# Altium PCB Startracker_mainboard.PcbDoc (part 1 of 2) (continued)
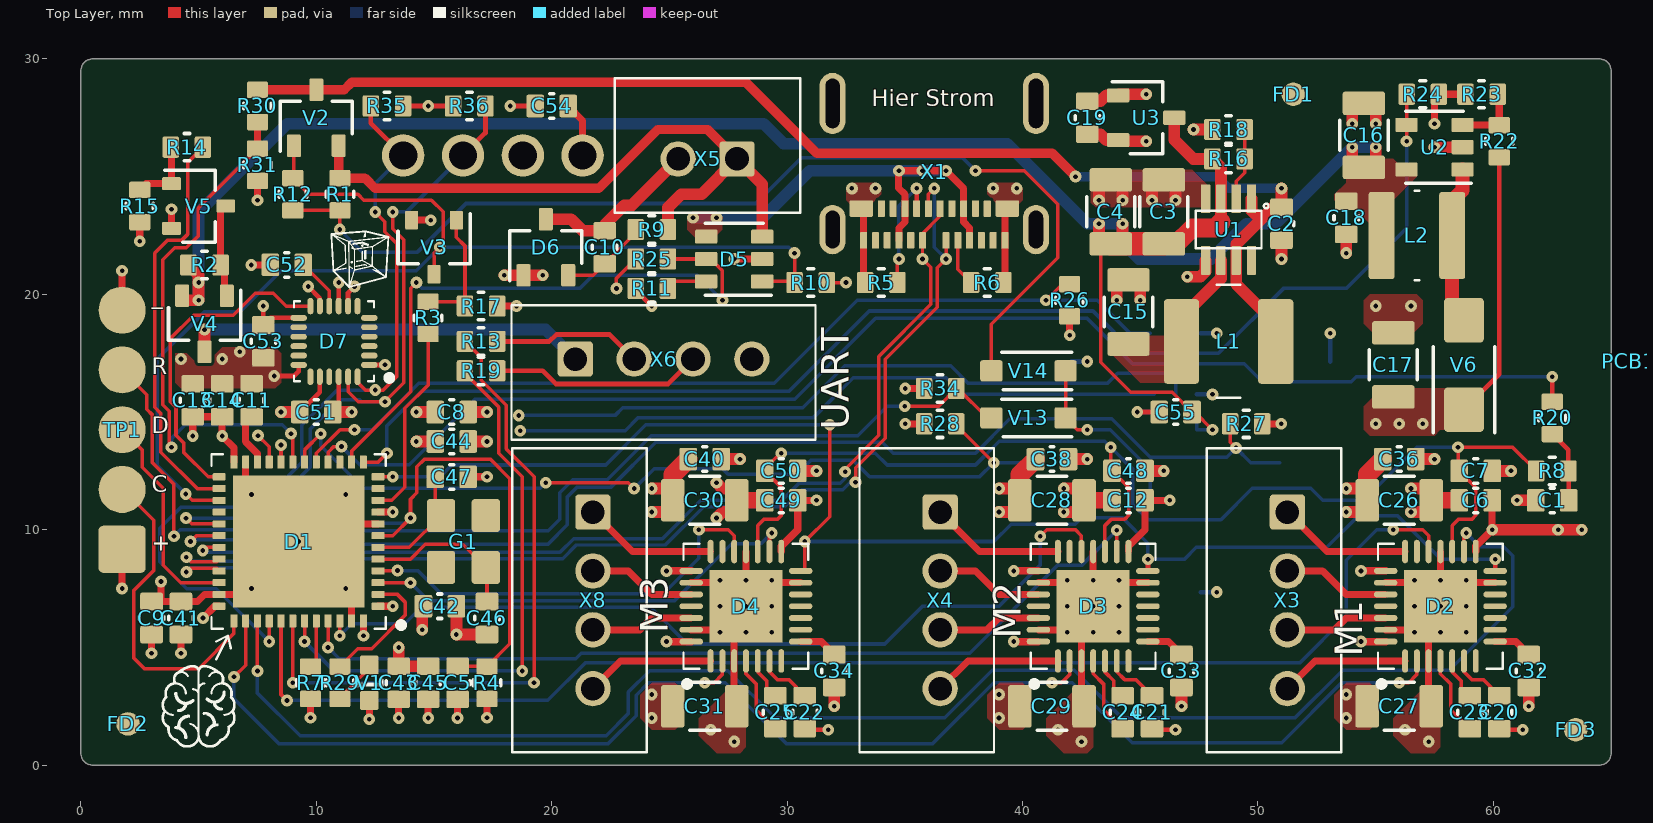
[diagram p0: Top Layer view]
## Components (designator, comment, footprint, x,y, rotation, side; value= is the part's Value field where it differs from the comment)
C1 "Cap 100n 0603" C-0603_1608_095_L_RF 62.5,11.25 r180 top value=100nF
C2 "Cap 1u 0603" C-0603_1608_095_L_RF 51,23 r90 top value=1µF
C3 "Cap 22u 25V 10% 1206" C-1206_3216_230_L_RF 46,23.5 r270 top value=22µF
C4 "Cap 22u 25V 10% 1206" C-1206_3216_230_L_RF 43.75,23.5 r270 top value=22µF
C5 "Cap 100n 0603" C-0603_1608_095_L_RF 16,3.5 r270 top value=100nF
C6 "Cap 100n 0603" C-0603_1608_095_L_RF 59.25,11.25 r180 top value=100nF
C7 "Cap 100n 0603" C-0603_1608_095_L_RF 59.25,12.5 r0 top value=100nF
C8 "Cap 100n 0603" C-0603_1608_095_L_RF 15.75,15 r0 top value=100nF
C9 "Cap 1u 0603" C-0603_1608_095_L_RF 3,6.25 r270 top value=1µF
C10 "Cap 100n 0603" C-0603_1608_095_L_RF 22.25,22 r270 top value=100nF
C11 "Cap 22u/ 6.3V 0603" C-0603_1608_110_L_RF 7.25,15.5 r270 top value=22µF
C12 "Cap 100n 0603" C-0603_1608_095_L_RF 44.5,11.25 r180 top value=100nF
C13 "Cap 22u/ 6.3V 0603" C-0603_1608_110_L_RF 4.75,15.5 r270 top value=22µF
C14 "Cap 100n 0603" C-0603_1608_095_L_RF 6,15.5 r90 top value=100nF
C15 "Cap 22u 25V 10% 1206" C-1206_3216_230_L_RF 44.5,19.25 r270 top value=22µF
C16 "Cap 22u 25V 10% 1206" C-1206_3216_230_L_RF 54.5,26.75 r270 top value=22µF
C17 "Cap 22u 25V 10% 1206" C-1206_3216_230_L_RF 55.75,17 r270 top value=22µF
C18 "Cap 1u 0603" C-0603_1608_095_L_RF 53.75,23.25 r90 top value=1µF
C19 "Cap 1u 0603" C-0603_1608_095_L_RF 42.75,27.5 r270 top value=1µF
C20 "Cap 100n 0603" C-0603_1608_095_L_RF 60.25,2.25 r270 top value=100nF
C21 "Cap 100n 0603" C-0603_1608_095_L_RF 45.5,2.25 r270 top value=100nF
C22 "Cap 100n 0603" C-0603_1608_095_L_RF 30.75,2.25 r270 top value=100nF
C23 "Cap 22n 0603" C-0603_1608_095_L_RF 59,2.25 r270 top value=22nF
C24 "Cap 22n 0603" C-0603_1608_095_L_RF 44.25,2.25 r270 top value=22nF
C25 "Cap 22n 0603" C-0603_1608_095_L_RF 29.5,2.25 r270 top value=22nF
C26 "Cap 22u 25V 10% 1206" C-1206_3216_230_L_RF 56,11.25 r180 top value=22µF
C27 "Cap 22u 25V 10% 1206" C-1206_3216_230_L_RF 56,2.5 r180 top value=22µF
C28 "Cap 22u 25V 10% 1206" C-1206_3216_230_L_RF 41.25,11.25 r180 top value=22µF
C29 "Cap 22u 25V 10% 1206" C-1206_3216_230_L_RF 41.25,2.5 r180 top value=22µF
C30 "Cap 22u 25V 10% 1206" C-1206_3216_230_L_RF 26.5,11.25 r180 top value=22µF
C31 "Cap 22u 25V 10% 1206" C-1206_3216_230_L_RF 26.5,2.5 r180 top value=22µF
C32 "Cap 1u 0603" C-0603_1608_095_L_RF 61.5,4 r90 top value=1µF
C33 "Cap 1u 0603" C-0603_1608_095_L_RF 46.75,4 r90 top value=1µF
C34 "Cap 1u 0603" C-0603_1608_095_L_RF 32,4 r90 top value=1µF
C35 "Cap 100n 0603" C-0603_1608_095_L_RF 56,2.5 r180 bottom value=100nF
C36 "Cap 100n 0603" C-0603_1608_095_L_RF 56,13 r180 top value=100nF
C37 "Cap 100n 0603" C-0603_1608_095_L_RF 41.25,2.5 r180 bottom value=100nF
C38 "Cap 100n 0603" C-0603_1608_095_L_RF 41.25,13 r180 top value=100nF
C39 "Cap 100n 0603" C-0603_1608_095_L_RF 26.5,2.5 r180 bottom value=100nF
C40 "Cap 100n 0603" C-0603_1608_095_L_RF 26.5,13 r180 top value=100nF
C41 "Cap 100n 0603" C-0603_1608_095_L_RF 4.25,6.25 r90 top value=100nF
C42 "Cap 100n 0603" C-0603_1608_095_L_RF 15.25,6.75 r0 top value=100nF
C43 "Cap 1u 0603" C-0603_1608_095_L_RF 13.5,3.5 r90 top value=1µF
C44 "Cap 1u 0603" C-0603_1608_095_L_RF 15.75,13.75 r180 top value=1µF
C45 "Cap 1u 0603" C-0603_1608_095_L_RF 14.75,3.5 r90 top value=1µF
C46 "Cap 15p 0603" C-0603_1608_095_L_RF 17.25,6.25 r270 top value=15pF
C47 "Cap 15p 0603" C-0603_1608_095_L_RF 15.75,12.25 r0 top value=15pF
C48 "Cap 100n 0603" C-0603_1608_095_L_RF 44.5,12.5 r0 top value=100nF
C49 "Cap 100n 0603" C-0603_1608_095_L_RF 29.75,11.25 r180 top value=100nF
C50 "Cap 100n 0603" C-0603_1608_095_L_RF 29.75,12.5 r0 top value=100nF
C51 "Cap 100n 0603" C-0603_1608_095_L_RF 10,15 r180 top value=100nF
C52 "Cap 100n 0603" C-0603_1608_095_L_RF 8.75,21.25 r180 top value=100nF
C53 "Cap 100n 0603" C-0603_1608_095_L_RF 7.75,18 r270 top value=100nF
C54 "Cap 100n 0603" C-0603_1608_095_L_RF 20,28 r0 top value=100nF
C55 "Cap 100n 0603" C-0603_1608_095_L_RF 46.5,15 r180 top value=100nF
D1 "STM32F411CCU6" UFQFPN48_N_RF 9.25,9.5 r180 top
D2 "TMC2208-LA-T" QFN28_N_RF 57.75,6.75 r90 top
D3 "TMC2208-LA-T" QFN28_N_RF 43,6.75 r90 top
D4 "TMC2208-LA-T" QFN28_N_RF 28.25,6.75 r90 top
D5 "ME4055AM6G-N" SOT23-6_N_RF 27.75,21.5 r90 top
D6 "RY2200" SOT23_N_RF 19.75,22 r0 top
D7 "MPU-9250" QFN24_N_RF 10.75,18 r180 top
FD1 "Fiducial" Fiducial_1.0mm 51.5,28.5 r0 top
FD2 "Fiducial" Fiducial_1.0mm 2,1.75 r0 top
FD3 "Fiducial" Fiducial_1.0mm 63.5,1.5 r0 top
G1 "16MHz" G_3225_N_RF 16.25,9.5 r270 top
L1 "1.5uH" L-0490X0490_N_RF 48.75,18 r180 top
L2 "4.7uH" L-0400X0400_N_RF 56.75,22.5 r0 top
PCB1 "PCB_Dummy" Dummy_PCB-Parameter_SM 65.75,17.15 r90 top value="Startracker / A"
R1 "Res 10k 0603" R-0603_1608_050_L_RF 11,24.25 r90 top value=10k
R2 "Res 10k 0603" R-0603_1608_050_L_RF 5.25,21.25 r180 top value=10k
R3 "Res 10k 0603" R-0603_1608_050_L_RF 14.75,19 r270 top value=10k
R4 "Res 10k 0603" R-0603_1608_050_L_RF 17.25,3.5 r270 top value=10k
R5 "Res 5k1 0603" R-0603_1608_050_L_RF 34,20.5 r0 top value=5.1k
R6 "Res 5k1 0603" R-0603_1608_050_L_RF 38.5,20.5 r180 top value=5.1k
R7 "Res 10k 0603" R-0603_1608_050_L_RF 9.75,3.5 r90 top value=10k
R8 "Res 10k 0603" R-0603_1608_050_L_RF 62.5,12.5 r180 top value=10k
R9 "Res 1k 0603" R-0603_1608_050_L_RF 24.25,22.75 r180 top value=1k
R10 "Res 10k 0603" R-0603_1608_050_L_RF 31,20.5 r0 top value=10k
R11 "Res 2k2 0603" R-0603_1608_050_L_RF 24.25,20.25 r0 top value=2.2k
R12 "Res 100k 0603" R-0603_1608_050_L_RF 9,24.25 r270 top value=100k
R13 "Res 100R 0603" R-0603_1608_050_L_RF 17,18 r0 top value=100
R14 "Res 10k 0603" R-0603_1608_050_L_RF 4.5,26.25 r0 top value=10k
R15 "Res 100k 0603" R-0603_1608_050_L_RF 2.5,23.75 r90 top value=100k
R16 "Res 150k 0603" R-0603_1608_050_L_RF 48.75,25.75 r180 top value=150k
R17 "Res 100k 0603" R-0603_1608_050_L_RF 17,19.5 r180 top value=100k
R18 "Res 16k 0603" R-0603_1608_050_L_RF 48.75,27 r0 top value=16k
R19 "Res 100R 0603" R-0603_1608_050_L_RF 17,16.75 r0 top value=100
R20 "Res 10k 0603" R-0603_1608_050_L_RF 62.5,14.75 r270 top value=10k
R21 "OLED_128X64" OLED_0.96 17.5,15 r180 bottom locked
R22 "Res 130k 0603" R-0603_1608_050_L_RF 60.25,26.5 r270 top value=130k
R23 "Res 15k 0603" R-0603_1608_050_L_RF 59.5,28.5 r0 top value=15k
R24 "Res 10k 0603" R-0603_1608_050_L_RF 57,28.5 r0 top value=10k
R25 "Res 10k 0603" R-0603_1608_050_L_RF 24.25,21.5 r180 top value=10k
R26 "Res 10k 0603" R-0603_1608_050_L_RF 42,19.75 r270 top value=10k
R27 "Res 10k 0603" R-0603_1608_050_L_RF 49.5,14.5 r0 top value=10k
R28 "Res 10k 0603" R-0603_1608_050_L_RF 36.5,14.5 r180 top value=10k
R29 "Res 1k 0603" R-0603_1608_050_L_RF 11,3.5 r90 top value=1k
R30 "Res 10k 0603" R-0603_1608_050_L_RF 7.5,28 r90 top value=10k
R31 "Res 10k 0603" R-0603_1608_050_L_RF 7.5,25.5 r90 top value=10k
R34 "Res 10k 0603" R-0603_1608_050_L_RF 36.5,16 r180 top value=10k
R35 "Res 2k2 0603" R-0603_1608_050_L_RF 13,28 r180 top value=2.2k
R36 "Res 2k2 0603" R-0603_1608_050_L_RF 16.5,28 r0 top value=2.2k
S1 "K2-1808UN-A4SW-04" K2-1808UN-A4SW-04 46.5,9.5 r90 bottom
S2 "K2-1808UN-A4SW-04" K2-1808UN-A4SW-04 46.5,20.5 r90 bottom
S3 "K2-1808UN-A4SW-04" K2-1808UN-A4SW-04 52,15 r90 bottom
S4 "K2-1808UN-A4SW-04" K2-1808UN-A4SW-04 41,15 r90 bottom
TP1 "Programming Interface 5P" TP_ProgrammingInterface_5P_A 1.75,14.25 r90 top value=TP
U1 "RT4812GJ8F" TSOT-23-8 48.75,22.75 r180 top
U2 "MT3540-F23" SOT23-5_N_RF 57.5,26.25 r90 top
U3 "XC6206P332MR" SOT23_N_RF 45.25,27.5 r270 top
V1 "LED SMD 0603 Red" LED-0603_1608_Red_L_RF 12.25,3.5 r270 top value=red
V2 "FDN340P" SOT23_N_RF 10,27.5 r0 top
V3 "BC847B" SOT23_L_RF 15,22 r180 top
V4 "FDN340P" SOT23_N_RF 5.25,18.75 r180 top
V5 "BC847B" SOT23_L_RF 5,23.75 r270 top
V6 "SS14-E3" SMA_DO214AC_L_RF 58.75,17 r270 top value=40V
V7 "APA102C" V_2020_P6_N_RF 46.5,15 r90 bottom
V13 "SD101CW-E3-08" SOD123_L_RF 40.25,14.75 r0 top value=SD101CW
V14 "SD101CW-E3-08" SOD123_L_RF 40.25,16.75 r0 top value=SD101CW
X1 "105450-0101" 105450-0101 36.25,22.75 r180 top
X3 "CONN HEADER XH 4POS THT" X-0124X0057-R_M04_P0250_JST_B4B-XH-A 51.25,7 r90 top value=B4B-XH-A
X4 "CONN HEADER XH 4POS THT" X-0124X0057-R_M04_P0250_JST_B4B-XH-A 36.5,7 r90 top value=B4B-XH-A
X5 "CONN HEADER XH 2POS THT" X-0074X0057-R_M02_P0250_JST_B2B-XH-A 26.619,25.75 r0 top value=B2B-XH-A
X6 "CONN HEADER XH 4POS THT" X-0124X0057-R_M04_P0250_JST_B4B-XH-A 24.75,17.25 r180 top value=B4B-XH-A
X8 "CONN HEADER XH 4POS THT" X-0124X0057-R_M04_P0250_JST_B4B-XH-A 21.75,7 r90 top value=B4B-XH-A

## Footprints (in the part's own frame and the unit in brackets; to place one, negate y for a bottom-side part, rotate by r counter-clockwise, add the part's x,y. Pads: shape width x height; smd on the part's side, far side on the other; paste and mask are expansions set on the pad)
105450-0101 [mm] "USB-C Connector"
  rrect20% 0.3x0.7 smd: A1(-3,0.46) A2(-2.5,0.46) A3(-2,0.46) A4(-1.5,0.46) A5(-1,0.46) A6(-0.5,0.46) A7(0.5,0.46) A8(1,0.46) A9(1.5,0.46) A10(2,0.46) A11(2.5,0.46) A12(3,0.46) B2(2.25,-0.89) B3(1.75,-0.89) B4(1.25,-0.89) B5(0.75,-0.89) B6(0.25,-0.89) B7(-0.25,-0.89) B8(-0.75,-0.89) B9(-1.25,-0.89) B10(-1.75,-0.89) B11(-2.25,-0.89)
  rrect20% 1x0.7 smd: B1(3.1,-0.89) B12(-3.1,-0.89)
  oval 1.1x2.1 hole 0.6 slot 1.6 at 90 deg: S(-4.32,0) S(4.32,0)
  oval 1.1x2.6 hole 0.6 slot 2.1 at 90 deg: S(-4.32,-5.36) S(4.32,-5.36)
  body extent -4.47,-7.3 4.47,0.6, height 3.18
C-0603_1608_095_L_RF [mm] "Capacitor Chip 0603 Reflow; IPC7351C; Least; A.0"
  rrect20% 0.75x0.96 smd: 1(-0.7,0) 2(0.7,0)
  silkscreen extent -0.08,-0.52 0.08,0.52, body extent -0.87,-0.48 0.88,0.48, height 0.95
C-0603_1608_110_L_RF [mm] "Capacitor Chip 0603 Reflow; IPC7351C; Least; A.0"
  rrect20% 0.75x0.96 smd: 1(-0.7,0) 2(0.7,0)
  silkscreen extent -0.08,-0.52 0.08,0.52, body extent -0.87,-0.48 0.88,0.48, height 1.1
C-1206_3216_230_L_RF [mm] "Capacitor Chip 1206 Reflow; IPC7351C; Least; A.1"
  rrect20% 1x1.8 smd: 1(-1.36,0) 2(1.36,0)
  silkscreen extent -0.63,-1.02 0.63,1.02, body extent -1.7,-0.9 1.7,0.9, height 2.3
Dummy_PCB-Parameter_SM [mm] "Footprint of PCB Dummy Symbol"
Fiducial_1.0mm [mm] "Fiducialmark 1.0mm"
  round 1 smd paste-2.54 mask+0.5: 1(0,0)
  Top Layer pour cut-out: 0,-1 -0.383,-0.924 -0.707,-0.707 -0.924,-0.383 -1,0 -1,0 -0.924,0.383 -0.707,0.707 -0.383,0.924 0,1 0,1 0.383,0.924 0.707,0.707 0.924,0.383 1,0 1,0 0.924,-0.383 0.707,-0.707 0.383,-0.924 0,-1
G_3225_N_RF [mm] "Crystal Oscillator  2.5mm X 3.2mm"
  rrect20% 1.4x1.2 smd: 1(-1.1,-0.95) 2(1.1,-0.95) 3(1.1,0.95) 4(-1.1,0.95)
  body extent -1.6,-1.25 1.6,1.25, height 0.55
K2-1808UN-A4SW-04 [mm]
  rrect20% 1.2x0.65 smd: 1(-2.15,1.075) 2(2.15,1.075) 3(-2.15,-1.075) 4(2.15,-1.075)
  silkscreen extent -2.3,-1.6 2.3,1.6, body extent -2.35,-1.65 2.35,1.65, height 2.5
L-0400X0400_N_RF [mm] "Chip Inductor, 2-Leads, Body 4.00x4.00mm, IPC Medium Density"
  rrect20% 1.1x3.7 smd: 1(-1.5,0) 2(1.5,0)
  silkscreen extent -0.1,-1.9 0.1,1.9
L-0490X0490_N_RF [mm] "Chip Inductor, 2-Leads, Body 4.90x4.90mm, IPC Medium Density"
  rrect20% 1.5x3.6 smd: 1(-2,0) 2(2,0)
  silkscreen extent -0.5,-2.4 0.5,2.4
LED-0603_1608_Red_L_RF [mm] "LED Chip 0603 Reflow_Red,  LTST-C190CKT"
  rrect20% 0.8x0.8 smd: 1(-0.75,0) 2(0.75,0)
  silkscreen extent -0.14,-0.52 0.14,0.52, body extent -0.81,-0.4 0.81,0.4, height 0.75
OLED_0.96 [mm]
  round 1.8 hole 1.2: 1(-3.81,10.9) 2(-1.27,10.9) 3(1.27,10.9) 4(3.81,10.9)
  body extent -13.1,-14.6 13.1,12.4, height 5.5
QFN24_N_RF [mm] "QFN, 24-Leads, Body 3.00x3.00mm, Pitch 0.40mm, Thermal Pad 1.70x1.54mm, IPC Medium Density"
  oval 0.7x0.25 smd mask+0.1: 1(-1.5,1) 2(-1.5,0.6) 3(-1.5,0.2) 4(-1.5,-0.2) 5(-1.5,-0.6) 6(-1.5,-1) 13(1.5,-1) 14(1.5,-0.6) 15(1.5,-0.2) 16(1.5,0.2) 17(1.5,0.6) 18(1.5,1)
  oval 0.25x0.7 smd mask+0.1: 7(-1,-1.5) 8(-0.6,-1.5) 9(-0.2,-1.5) 10(0.2,-1.5) 11(0.6,-1.5) 12(1,-1.5) 19(1,1.5) 20(0.6,1.5) 21(0.2,1.5) 22(-0.2,1.5) 23(-0.6,1.5) 24(-1,1.5)
  silkscreen extent -2.48,-1.7 1.7,1.7, body extent -1.55,-1.55 1.55,1.55, height 1.05
QFN28_N_RF [mm] "QFN, 28-Leads, Body 5.00x5.00mm, Pitch 0.50mm, Thermal Pad 3.10x3.10mm, IPC Medium Density"
  oval 1x0.25 smd: 1(-2.325,1.5) 2(-2.325,1) 3(-2.325,0.5) 4(-2.325,0) 5(-2.325,-0.5) 6(-2.325,-1) 7(-2.325,-1.5) 15(2.325,-1.5) 16(2.325,-1) 17(2.325,-0.5) 18(2.325,0) 19(2.325,0.5) 20(2.325,1) 21(2.325,1.5)
  oval 0.25x1 smd: 8(-1.5,-2.325) 9(-1,-2.325) 10(-0.5,-2.325) 11(0,-2.325) 12(0.5,-2.325) 13(1,-2.325) 14(1.5,-2.325) 22(1.5,2.325) 23(1,2.325) 24(0.5,2.325) 25(0,2.325) 26(-0.5,2.325) 27(-1,2.325) 28(-1.5,2.325)
  rect 3.1x3.1 smd: PAD(0,0)
  silkscreen extent -3.42,-2.65 2.65,2.65, body extent -2.5,-2.5 2.5,2.5, height 0.9
R-0603_1608_050_L_RF [mm] "Resistor Chip 0603 Reflow; IPC7351C; Least; A.1"
  rrect20% 0.7x0.9 smd: 1(-0.685,0) 2(0.685,0)
  silkscreen extent -0.12,-0.58 0.12,0.58, body extent -0.85,-0.45 0.85,0.45, height 0.5
SMA_DO214AC_L_RF [mm]
  rrect20% 1.9x1.7 smd: 1(-1.9,0) 2(1.9,0)
  silkscreen extent -0.77,-1.31 2.87,1.3, body extent -2.75,-1.4 2.75,1.4, height 2.6
SOD123_L_RF [mm] "SOD123"
  rrect20% 0.95x0.9 smd mask+0.05: 1(-1.575,0) 2(1.575,0)
  silkscreen extent -1.12,-0.8 1.84,0.8, body extent -1.85,-0.78 1.85,0.77, height 1.35
SOT23-5_N_RF [mm] "SOT23, 5-Leads, Body 2.90x2.70mm, Pitch 0.95mm, IPC Medium Density"
  rrect20% 0.6x0.95 smd: 1(-0.95,-1.19) 2(0,-1.19) 3(0.95,-1.19) 4(0.95,1.19) 5(-0.95,1.19)
  silkscreen extent -1.53,-1.57 1.53,1.22, body extent -1.55,-1.3 1.55,1.3, height 1.15
SOT23-6_N_RF [mm] "SOT23, 6-Leads, Body 2.90x2.70mm, Pitch 0.95mm, IPC Medium Density"
  rrect20% 0.6x0.95 smd: 1(-0.95,-1.19) 2(0,-1.19) 3(0.95,-1.19) 4(0.95,1.19) 5(0,1.19) 6(-0.95,1.19)
  silkscreen extent -1.53,-1.57 1.53,1.22, body extent -1.55,-1.3 1.55,1.3, height 1.15
SOT23_L_RF [mm] "SOT23, 3-Leads, Body 2.9x1.3mm, Pitch 0.95mm, Lead Span 2.4mm, IPC High Density"
  rrect20% 0.55x0.8 smd: 1(-0.95,-1.15) 2(0.95,-1.15) 3(0,1.15)
  silkscreen extent -1.53,-1.43 1.53,0.7, body extent -1.55,-1.3 1.55,1.3, height 1.15
SOT23_N_RF [mm] "SOT23, 3-Leads, Body 2.9x1.3mm, Pitch 0.95mm, Lead Span 2.4mm, IPC Medium Density"
  rrect20% 0.6x0.95 smd: 1(-0.95,-1.19) 2(0.95,-1.19) 3(0,1.19)
  silkscreen extent -1.53,-1.43 1.53,0.7, body extent -1.55,-1.3 1.55,1.3, height 1.15
TP_ProgrammingInterface_5P_A [mm] "Programming Interface Type A; In Line; 2.54mm"
  rrect20% 2x2 smd paste-1: 1(-5.08,0)
  round 2 smd paste-1: 2(-2.54,0) 3(0,0) 4(2.54,0) 5(5.08,0)
TSOT-23-8 [mm]
  rrect20% 0.4x1.22 smd: 1(-0.975,-1.31) 2(-0.325,-1.31) 3(0.325,-1.31) 4(0.975,-1.31) 5(0.975,1.31) 6(0.325,1.31) 7(-0.325,1.31) 8(-0.975,1.31)
  silkscreen extent -1.7,-1.1 1.4,0.8, body extent -1.45,-1.4 1.45,1.4, height 1
UFQFPN48_N_RF [mm] "QFN, 48-Leads, Body 7.00x7.00mm, Pitch 0.50mm, Thermal Pad 5.60x5.60mm, IPC Medium Density"
  rrect20% 0.55x0.3 smd: 1(-3.375,2.75) 2(-3.375,2.25) 3(-3.375,1.75) 4(-3.375,1.25) 5(-3.375,0.75) 6(-3.375,0.25) 7(-3.375,-0.25) 8(-3.375,-0.75) 9(-3.375,-1.25) 10(-3.375,-1.75) 11(-3.375,-2.25) 12(-3.375,-2.75) 25(3.375,-2.75) 26(3.375,-2.25) 27(3.375,-1.75) 28(3.375,-1.25) 29(3.375,-0.75) 30(3.375,-0.25) 31(3.375,0.25) 32(3.375,0.75) 33(3.375,1.25) 34(3.375,1.75) 35(3.375,2.25) 36(3.375,2.75)
  rrect20% 0.3x0.55 smd: 13(-2.75,-3.375) 14(-2.25,-3.375) 15(-1.75,-3.375) 16(-1.25,-3.375) 17(-0.75,-3.375) 18(-0.25,-3.375) 19(0.25,-3.375) 20(0.75,-3.375) 21(1.25,-3.375) 22(1.75,-3.375) 23(2.25,-3.375) 24(2.75,-3.375) 37(2.75,3.375) 38(2.25,3.375) 39(1.75,3.375) 40(1.25,3.375) 41(0.75,3.375) 42(0.25,3.375) 43(-0.25,3.375) 44(-0.75,3.375) 45(-1.25,3.375) 46(-1.75,3.375) 47(-2.25,3.375) 48(-2.75,3.375)
  rect 5.6x5.6 smd: PAD(0,0)
  silkscreen extent -4.47,-3.7 3.7,3.7, body extent -3.55,-3.55 3.55,3.55, height 0.6
V_2020_P6_N_RF [mm] "APA102C LED"
  rrect20% 0.7x0.55 smd mask+0.05: 1(-0.75,0) 2(-0.75,0.9) 3(0.75,0) 4(-0.75,-0.9) 5(0.75,0.9) 6(0.75,-0.9)
  rrect20% 0.3x0.7 smd mask+0.05: 2(0,0.825) 5(0,-0.825)
  silkscreen extent -1.45,-1.45 -1.35,-1.35, body extent -1,-1 1,1, height 0.6
X-0074X0057-R_M02_P0250_JST_B2B-XH-A [mm] "JST XH Connector 2.5mm Pitch JST_B2B-XH-A"
  rrect20% 1.5x1.5 hole 1: 1(1.25,0)
  round 1.5 hole 1: 2(-1.25,0)
  silkscreen extent -3.94,-2.29 3.94,3.43, body extent -3.9,-2.33 3.9,3.4, height 7
X-0124X0057-R_M04_P0250_JST_B4B-XH-A [mm] "JST XH Connector 2.5mm Pitch JST_B4B-XH-A"
  rrect20% 1.5x1.5 hole 1: 1(3.75,0)
  round 1.5 hole 1: 2(1.25,0) 3(-1.25,0) 4(-3.75,0)
  silkscreen extent -6.46,-2.29 6.46,3.43, body extent -6.44,-2.33 6.44,3.4, height 7

## Part data
C1 C5 C6 C7 C8 C10 C12 C14 C20 C21 C22 C35 C36 C37 C38 C39 C40 C41 C42 C48 C49 C50 C51 C52 C53 C54 C55: library part CMP-001-0037-3, "Cap Cer SMD 100n 50V 10% 0603 X7R", Case / Package=0603, Manufacturer=KEMET, Manufacturer Part Number=C0603C104K5RAC, ClassName=Surface_Assy, GPV_Number=1749.0075, MNL_Number=22310507, PartStatus=Release, Prefered=true, Technology=SMT, User=epph
C2 C9 C18 C19 C32 C33 C34 C43 C44 C45: library part CMP-001-0045-2, "Cap Cer SMD 1u 16V 10% 0603 X7R", Case / Package=0603, Manufacturer=AVX, Manufacturer Part Number=0603YC105KAT*, ClassName=Surface_Assy, ComponentLink1Description=Datasheet, ComponentLink1URL=https://datasheet.ciiva.com/11464/ccog-11464569.pdf, GPV_Number=1749.0125, MNL_Number=22310613, PartStatus=Release, Prefered=true, Technology=SMT, User=zupa
C3 C4 C15 C16 C17 C26 C27 C28 C29 C30 C31: library part CMP-001-0137-2, "Cap Cer SMD 22u 25V 10% 1206 X5R", Case / Package=1206, Manufacturer=MURATA, Manufacturer Part Number=GRM31CR61E226KE15*, ClassName=Surface_Assy, ComponentLink1Description=Datasheet, ComponentLink1URL=https://datasheet.ciiva.com/3778/100grm31cr61e226ke1523-3778430.pdf, GPV_Number=1751.0116, PartStatus=Release, Prefered=false, Technology=SMT, User=zupa
C11 C13: library part CMP-001-0140-2, "Cap Cer SMD 22u 6.3V 20% 0603 X5R", Case / Package=0603, Manufacturer=TDK, Manufacturer Part Number=C1608X5R0J226M080AC, ClassName=Surface_Assy, ComponentLink1Description=Datasheet, ComponentLink1URL=https://datasheet.ciiva.com/24454/c1608x5r0j226m080ac-24454269.pdf, GPV_Number=1749.0255, PartStatus=Release, Prefered=false, Technology=SMT, User=zupa
C23 C24 C25: library part CMP-001-0047-2, "Cap Cer SMD 22n 50V 10% 0603 X7R", Case / Package=0603, Manufacturer=AVX, Manufacturer Part Number=06035C223KAT*, ClassName=Surface_Assy, ComponentLink1Description=Datasheet, ComponentLink1URL=https://datasheet.ciiva.com/11464/ccog-11464569.pdf, GPV_Number=1749.0099, PartStatus=Release, Prefered=true, Technology=SMT, User=zupa
C46 C47: library part CMP-001-0043-2, "Cap Cer SMD 15p 50V 5% 0603 C0G", Case / Package=0603, Manufacturer=AVX, Manufacturer Part Number=06035A150JAT*, ClassName=Surface_Assy, ComponentLink1Description=Datasheet, ComponentLink1URL=https://datasheet.ciiva.com/11464/ccog-11464569.pdf, GPV_Number=1749.0057, PartStatus=Release, Prefered=true, Technology=SMT, User=zupa
D1: "IC MCU Cortex-M4 256k Flash 128k RAM", Case/Package=UFQFPN48, Manufacturer="ST Microelectronics", ClassName=Surface_Assy, Footprint_validated=No, GPV_Number=xxxx.xxxx, Manufacturer Part Number=STM32F411CCU6, MNL_Number=xxxxxxxx, Part_validated=No, PartStatus=New, System=-, Technology=SMT
D2 D3 D4: "IC DRIVER Stepper 1.4A", Case/Package=QFN28, Manufacturer="Analog Devices", ClassName=Surface_Assy, Footprint_validated=No, GPV_Number=xxxx.xxxx, Manufacturer Part Number=TMC2208-LA-T, MNL_Number=xxxxxxxx, Part_validated=No, PartStatus=New, System=-, Technology=SMT
D5: "IC Charger Li-Ion 1Cell", Case/Package=SOT-23-6, Manufacturer=MICRONE, ClassName=Surface_Assy, Footprint_validated=No, GPV_Number=xxxx.xxxx, Manufacturer Part Number=ME4055AM6G-N, MNL_Number=xxxxxxxx, Part_validated=No, PartStatus=New, System=-, Technology=SMT
D6: "IC Protection Li-Ion", Case/Package=SOT23, Manufacturer=Rychip, ClassName=Surface_Assy, Footprint_validated=No, GPV_Number=xxxx.xxxx, Manufacturer Part Number=RY2200, MNL_Number=xxxxxxxx, Part_validated=No, PartStatus=New, System=-, Technology=SMT
D7: "IC IMU 9-Axis Attitude Sensor", Case/Package=QFN24, Manufacturer=InvenSense, ClassName=Surface_Assy, Footprint_validated=No, GPV_Number=xxxx.xxxx, Manufacturer Part Number=MPU-9250, MNL_Number=xxxxxxxx, Part_validated=No, PartStatus=New, System=-, Technology=SMT
FD1 FD2 FD3: library part CMP-001-1312-3, "Fiducial Mark", ClassName=Symbol, PartStatus=Release, Technology=SYM, User=balu
G1: library part X322516MMB4SI, "Crystal Oscillator 16MHz 10pF ±10ppm LCSC C112972", Case/Package=2532, Manufacturer="Yangwing Tech", ClassName=Surface_Assy, Footprint_validated=No, GPV_Number=xxxx.xxxx, Manufacturer Part Number=X322516MMB4SI, MNL_Number=xxxxxxxx, Part_validated=No, PartStatus=New, System=-, Technology=SMT
L1: library part NRS5040T1R5NMGJ, "IND 4.7uH 6.4A 4.9x4.9mm", Case/Package=4.9x4.9, Manufacturer="TAIYO YUDEN", ClassName=Surface_Assy, Footprint_validated=No, GPV_Number=xxxx.xxxx, Manufacturer Part Number=NRS5040T1R5NMGJ, MNL_Number=xxxxxxxx, Part_validated=No, PartStatus=New, System=-, Technology=SMT
L2: library part APSWPA4030S4R7MTF, "IND 4.7uH 2.9A 4x4mm", Case/Package=4x4, Manufacturer=APV, ClassName=Surface_Assy, Footprint_validated=No, GPV_Number=xxxx.xxxx, Manufacturer Part Number=APSWPA4030S4R7MTF, MNL_Number=xxxxxxxx, Part_validated=No, PartStatus=New, System=-, Technology=SMT
PCB1: library part CMP-001-1147-5, "<PCB DesignName Revision>", ClassName=Symbol, GPV_Number=XXX.XXXX, PartStatus=Release, Technology=SYM, User=balu
R1 R2 R3 R4 R7 R8 R10 R14 R20 R24 R25 R26 R27 R28 R30 R31 R34: library part CMP-001-0241-3, "Res SMD 10k 1% 0.1W 0603", Case / Package=0603, Manufacturer=YAGEO, Manufacturer Part Number=RC0603FR-0710KL, ClassName=Surface_Assy, ComponentLink1Description=Datasheet, ComponentLink1URL=https://datasheet.ciiva.com/11808/0900766b80f96399-11808280.pdf, GPV_Number=1922.0100, MNL_Number=15310022, PartStatus=Release, Prefered=true, Technology=SMT, User=zupa
R5 R6: library part CMP-001-0582-3, "Res SMD 5k1 1% 0.1W 0603", Case / Package=0603, Manufacturer=YAGEO, Manufacturer Part Number=RC0603FR-075K1L, ClassName=Surface_Assy, ComponentLink1Description=Datasheet, ComponentLink1URL=https://datasheet.ciiva.com/8895/pyu-rc0603-51-rohs-l-4-8895189.pdf, GPV_Number=1922.0144, PartStatus=Release, Prefered=true, Technology=SMT, User=napa
R9 R29: library part CMP-001-0250-3, "Res SMD 1k 1% 0.1W 0603", Case / Package=0603, Manufacturer=YAGEO, Manufacturer Part Number=RC0603FR-071KL, ClassName=Surface_Assy, ComponentLink1Description=Datasheet, ComponentLink1URL=https://datasheet.ciiva.com/11808/0900766b80f96399-11808280.pdf, GPV_Number=1922.0011, MNL_Number=15310012, PartStatus=Release, Prefered=true, Technology=SMT, User=zupa
R11 R35 R36: library part CMP-001-0261-3, "Res SMD 2k2 1% 0.1W 0603", Case / Package=0603, Manufacturer=YAGEO, Manufacturer Part Number=RC0603FR-072K2L, ClassName=Surface_Assy, ComponentLink1Description=Datasheet, ComponentLink1URL=https://datasheet.ciiva.com/11808/0900766b80f96399-11808280.pdf, GPV_Number=1922.1472, PartStatus=Release, Prefered=true, Technology=SMT, User=zupa
R12 R15 R17: library part CMP-001-0607-3, "Res SMD 100k 1% 0.1W 0603", Case / Package=0603, Manufacturer=YAGEO, Manufacturer Part Number=RC0603FR-07100KL, ClassName=Surface_Assy, ComponentLink1Description=Datasheet, ComponentLink1URL=https://datasheet.ciiva.com/8895/pyu-rc0603-51-rohs-l-4-8895189.pdf, GPV_Number=1922.0140, MNL_Number=15310632, PartStatus=Release, Prefered=true, Technology=SMT, User=napa
R13 R19: library part CMP-001-0240-3, "Res SMD 100R 1% 0.1W 0603", Case / Package=0603, Manufacturer=YAGEO, Manufacturer Part Number=RC0603FR-07100RL, ClassName=Surface_Assy, ComponentLink1Description=Datasheet, ComponentLink1URL=https://datasheet.ciiva.com/11808/0900766b80f96399-11808280.pdf, GPV_Number=1922.0102, MNL_Number=15310004, PartStatus=Release, Prefered=true, Technology=SMT, User=zupa
R16: library part CMP-001-0611-3, "Res SMD 150k 1% 0.1W 0603", Case / Package=0603, Manufacturer=YAGEO, Manufacturer Part Number=RC0603FR-07150KL, ClassName=Surface_Assy, ComponentLink1Description=Datasheet, ComponentLink1URL=https://datasheet.ciiva.com/8895/pyu-rc0603-51-rohs-l-4-8895189.pdf, GPV_Number=1922.1023, PartStatus=Release, Prefered=true, Technology=SMT, User=napa
R18: library part CMP-001-0592-3, "Res SMD 16k 1% 0.1W 0603", Case / Package=0603, Manufacturer=YAGEO, Manufacturer Part Number=RC0603FR-0716KL, ClassName=Surface_Assy, ComponentLink1Description=Datasheet, ComponentLink1URL=https://datasheet.ciiva.com/8895/pyu-rc0603-51-rohs-l-4-8895189.pdf, GPV_Number=1922.0079, PartStatus=Release, Prefered=true, Technology=SMT, User=napa
R21: library part Display_0.96, "OLED Display I2C 128X64 0.96\"", Case/Package=4SIL, ClassName=Through-Hole_Assy, Footprint_validated=No, GPV_Number=xxxx.xxxx, MNL_Number=xxxxxxxx, Part_validated=No, PartStatus=New, System=-, Technology=TMT
R22: library part CMP-001-0610-3, "Res SMD 130k 1% 0.1W 0603", Case / Package=0603, Manufacturer=YAGEO, Manufacturer Part Number=RT0603FRE07130KL, ClassName=Surface_Assy, ComponentLink1Description=Datasheet, ComponentLink1URL=https://datasheet.ciiva.com/7746/1392914-7746698.pdf, GPV_Number=1922.0505, PartStatus=Release, Prefered=true, Technology=SMT, User=napa
R23: library part CMP-001-0247-3, "Res SMD 15k 1% 0.1W 0603", Case / Package=0603, Manufacturer=YAGEO, Manufacturer Part Number=RC0603FR-0715KL, ClassName=Surface_Assy, ComponentLink1Description=Datasheet, ComponentLink1URL=https://datasheet.ciiva.com/11808/0900766b80f96399-11808280.pdf, GPV_Number=1922.0034, PartStatus=Release, Prefered=true, Technology=SMT, User=zupa
S1 S2 S3 S4: "BUTTON tactile 12V 50mA", Case/Package=4pin, Manufacturer=HROparts, ClassName=Surface_Assy, Footprint_validated=No, GPV_Number=xxxx.xxxx, Manufacturer Part Number=K2-1808UN-A4SW-04, MNL_Number=xxxxxxxx, Part_validated=No, PartStatus=New, System=-, Technology=SMT
TP1: library part CMP-001-1519-1, ClassName=Surface_Assy, GPV_Number=-, PartStatus=Release, System=Connector, Technology=SMT, User=zupa
U1: "IC Boost Converter 1.8V-5.5V to 1.8-5.5V 2.1A", Case/Package=TSOT-23-8, Manufacturer=Richtek, ClassName=Surface_Assy, Footprint_validated=No, GPV_Number=xxxx.xxxx, Manufacturer Part Number=RT4812GJ8F, MNL_Number=xxxxxxxx, Part_validated=No, PartStatus=New, System=-, Technology=SMT
U2: "IC Boost Converter 2.5V-5.5V upto 28V 1.5A", Case/Package=SOT23-5, Manufacturer=Aerosemi, ClassName=Surface_Assy, Footprint_validated=No, GPV_Number=xxxx.xxxx, Manufacturer Part Number=MT3540-F23, MNL_Number=xxxxxxxx, Part_validated=No, PartStatus=New, System=-, Technology=SMT
U3: "IC REG LDO 3.3V 200mA", Case/Package=SOT23, Manufacturer=Torex, ClassName=Surface_Assy, Footprint_validated=No, GPV_Number=xxxx.xxxx, Manufacturer Part Number=XC6206P332MR, MNL_Number=xxxxxxxx, Part_validated=No, PartStatus=New, System=-, Technology=SMT
V1: library part CMP-001-1207-6, "LED RED LTST-C190KDKT-10A 0603", Case / Package=0603, Manufacturer="Lite-On Inc", Manufacturer Part Number=LTST-C190KDKT-10A, ClassName=Surface_Assy, GPV_Number=1602.0727, PartStatus=Release, Technology=SMT, User=epph
V2 V4: "MOSFET PCH -2A 20V", Case/Package=SOT-23, Manufacturer=onsemi, ClassName=Surface_Assy, Footprint_validated=No, GPV_Number=xxxx.xxxx, Manufacturer Part Number=FDN340P, MNL_Number=xxxxxxxx, Part_validated=No, PartStatus=New, System=-, Technology=SMT
V3 V5: library part CMP-001-1243-2, "TRANS SMD NPN 45V 0.1A BC847B SOT23", Case / Package=SOT23, Manufacturer="NXP Semiconductors", Manufacturer Part Number=BC847B/C, ClassName=Surface_Assy, GPV_Number=1601.0512, MNL_Number=48470200, PartStatus=Release, Technology=SMT, User=zupa
V6: library part CMP-00074-1, "Diode Schottky 40V 1A SMA", Case / Package=SMA, Manufacturer=VISHAY, ClassName=Surface_Assy, GPV_Number=1600.1206, Manufacturer Part Number=SS14-E3, PartStatus=New, Technology=SMT, User=epph
V7: "RGB LED SPI Interface", Case/Package=2020, Manufacturer="APA Electronic CO", Manufacturer Part Number=APA-102-2020-256-8A, ClassName=Surface_Assy, Footprint_validated=No, GPV_Number=xxxx.xxxx, MNL_Number=xxxxxxxx, Part_validated=No, PartStatus=New, System=-, Technology=SMT
V13 V14: library part CMP-001-1356-2, "Diode Schottky  1mA 40 Volt", Case / Package=SOD123, Manufacturer=VISHAY, ClassName=Surface_Assy, ComponentLink1Description=Datasheet, ComponentLink1URL=https://www.vishay.com/docs/85679/sd101aw.pdf, Manufacturer Part Number=SD101CW-E3-08, PartStatus=Release, Technology=SMT, User=zupa
X1: "CONN USB-C 16pin", Case/Package=USB-C, Manufacturer=Molex, ClassName=Through-Hole_Assy, Footprint_validated=No, GPV_Number=xxxx.xxxx, Manufacturer Part Number=105450-0101, MNL_Number=xxxxxxxx, Part_validated=No, PartStatus=New, System=Connector, Technology=SMT
X3 X4 X6 X8: library part CMP-00142-3, "CONN HEADER  4POS_JST_B4B-XH", Manufacturer=JST, Manufacturer Part Number=B4B-XH-A, ClassName=Through-Hole_Assy, GPV_Number=4401.1048, PartStatus=Release, System=Connector, Technology=THT, User=balu
X5: library part CMP-00140-3, "CONN HEADER  2POS_JST_B2B-XH", Manufacturer=JST, Manufacturer Part Number=B2B-XH-A, ClassName=Through-Hole_Assy, GPV_Number=4401.1025, PartStatus=Release, System=Connector, Technology=THT, User=balu

## Via types
v1: diameter 0.5, hole 0.2, Top Layer to Bottom Layer, tented both sides, 221 vias
v2: diameter 0.5, hole 0.2, Top Layer to Bottom Layer, 32 vias

## Nets (pads, with @x,y where several pads share a name; then routed paths per layer and width w, separated by ;. In a path a pad name is that pad's centre, name@x,y a point inside that pad or via, vN(x,y) a via of type N, cw(c..) or ccw(c..) an arc to the next point about the centre after c; other vN are vias at no path point)
+3.3V: C6.1 C8.1 C9.2 C12.1 C13.2 C14.1 C19.2 C41.1 C42.1 C43.2 C44.2 C45.2 C49.1 C51.1 C53.1 C54.1 D1.1 D1.9 D1.24 D1.36 D1.48 D2.15 D3.15 D4.15 D7.1 D7.8 D7.13 D7.22 R4.2 R10.2 R21.2 R25.2 R26.2 R27.2 R28.2 R34.2 R35.1 R36.1 TP1.1 U3.2 | length 46.6
  Top Layer w0.15: v1(22.75,20.25) 22.75,20.685 R25.2@23.565,21.5 ; R10.2@31.685,20.5 v1(32.5,20.5)
  Top Layer w0.2: v1(7.75,19.5) C53.1@7.75,18.7 8.05,19 D7.13@9.25,19 ; C51.1@10.7,15 10.95,15.25 D7.22@10.95,16.5 ; D7.8@11.35,19.5 11.35,20.06 v1(11.623,20.332) ; D7.1@12.25,17 12.903,17 v1(12.914,17.01) ; R35.1@13.685,28 v1(14.75,28) R36.1@15.815,28 ; v1(18.235,28) C54.1@19.3,28
  Top Layer w0.3: v1(1.75,7.5) TP1.1@1.75,9.17 ; v1(3,4.75) C9.2@3,5.55 ; v1(4.25,4.75) C41.1@4.25,5.55 ; v1(4.75,13.985) C13.2@4.75,14.8 C14.1@6,14.8 v1(6,13.985) 6.5,13.485 D1.24@6.5,12.875 ; v1(5.185,6.25) 5.685,6.75 D1.36@5.875,6.75 ; v1(12,5.5) D1.48@12,6.125 ; D1.1@12.625,6.75 v1(13.25,6.75) ; D1.9@12.625,10.75 v1(13.25,10.75) ; v1(17.25,2.015) R4.2@17.25,2.815 ; D4.15@29.75,9.075 29.75,9.3 30.45,10 C49.1@30.45,11.25 v1(31.25,11.25) ; v1(35.015,14.5) R28.2@35.815,14.5 ; v1(35.015,16) R34.2@35.815,16 ; v1(42,18.265) R26.2@42,19.065 ; D3.15@44.5,9.075 44.5,9.3 45.2,10 C12.1@45.2,11.25 v1(46.25,11.25) ; R27.2@50.185,14.5 v1(50.985,14.5) ; D2.15@59.25,9.075 59.25,9.3 v1(59.95,10) C6.1@59.95,11.25
  Top Layer w0.5: C51.1@10.7,15 v1(11.5,15) ; v1(13.5,5) C43.2@13.5,4.2 C45.2@14.75,4.2 ; v1(14.25,13.75) C44.2@15.05,13.75 ; v1(14.25,15) C8.1@15.05,15 ; v1(14.5,5.75) 14.5,6.7 C42.1@14.55,6.75 ; C19.2@42.75,26.8 43.31,26.8 43.56,26.55 U3.2@44.06,26.55 44.11,26.5 v1(45.25,26.5) ; v1(59.95,10) v1(62.75,10) v1(63.75,10)
+5V: C3.2 C4.2 C16.2 C18.2 C55.1 L2.1 R2.2 R16.2 U1.3 U2.5 U3.3 V4.2 V7.2 | length 90.6
  Top Layer w0.15: C4.2@43.75,22.14 43.324,21.714 43.324,17.114 44.595,15.843 46.357,15.843 C55.1@47.2,15 47.315,15 v1(48.065,14.25)
  Top Layer w0.4: C3.2@46,22.14 C3.2@46.531,22.14
  Top Layer w0.5: V4.2@4.3,19.94 4.494,19.746 v1(5,19.746) v1(5,20.5) 5,20.815 R2.2@4.565,21.25 ; v1(43.25,23) 43.25,22.14 C4.2@43.75,22.14 ; C4.2@44.25,22.14 v1(44.25,23) ; U3.3@46.44,27.5 46.44,26.56 47.25,25.75 R16.2@48.065,25.75 48.425,25.39 U1.3@48.425,24.06 48.425,23.067 ; v1(54,26.25) 54,25.39 C16.2@54.5,25.39 55,25.39 v1(55,26.25)
  Top Layer w0.8: C3.2@46.531,22.14 47.208,22.817 ; 47.458,22.817 48.175,22.817 48.425,23.067
  Top Layer w1: C4.2@43.75,22.14 44.25,22.14 C3.2@46,22.14
  Bottom Layer w0.15: V7.2@47.325,15 47.4,14.925 V7.2@47.4,14.25 v1(48.065,14.25)
  Bottom Layer w0.5: v1(5,19.746) v1(5,20.5) 5,23.488 8.762,27.25 29,27.25 29.85,26.4 39.35,26.4 42.75,23 v1(44.25,23) 44.25,22.192 44.935,21.506 48.013,21.506 49.508,23.001 50.751,23.001 v1(54,26.25) v1(55,26.25)
ADC_VSYS: D1.19 R30.1 R31.2 | length 23
  Top Layer w0.15: v1(3.85,13.5) 3.75,13.6 3.75,15.036 3.475,15.311 3.475,21.465 3.986,21.977 4.478,21.977 4.994,22.493 4.994,23.679 R31.2@7.5,26.185 ; v1(8.925,14.083) 9,14.008 D1.19@9,12.875
  Top Layer w0.3: R31.2@7.5,26.185 R30.1@7.5,27.315
  Bottom Layer w0.15: v1(3.85,13.5) 3.85,13.877 4.427,14.454 8.554,14.454 v1(8.925,14.083)
BGND: C10.1 D6.3 X5.2 | length 7.2
  Top Layer w0.5: D6.3@19.75,23.19 20.82,23.19 21.31,22.7 C10.1@22.25,22.7 22.25,22.945 23.083,23.779 23.398,23.779 X5.2@25.369,25.75
Charger_CHARGING: D1.27 D5.1 R10.1 R12.1 V2.1 V3.3 | length 50.5
  Top Layer w0.15: v1(4.457,11.519) 4.726,11.25 D1.27@5.875,11.25 ; V2.1@9.05,26.31 9.05,24.985 R12.1@9,24.935 9.685,24.25 11.768,24.25 12.018,24 14.89,24 15.387,23.504 v1@15.387,22.137 ; V3.3@15,20.85 15,21.75 v1(15.25,22) ; D5.1@28.94,20.55 30.265,20.55 R10.1@30.315,20.5 v1(30.315,21.75)
  Bottom Layer w0.15: v1(4.457,11.519) 3.25,12.726 3.25,17.25 5.25,19.25 6.75,19.25 8.5,21 14.25,21 v1(15.25,22) 30.065,22 v1(30.315,21.75)
Charger_DONE: D1.14 D5.5 R25.1 | length 26.3
  Top Layer w0.15: D1.14@11.5,12.875 11.5,13.345 14.014,15.859 14.014,20.264 v1(14.25,20.5) ; R25.1@24.935,21.5 D5.5@26.56,21.5 26.76,21.5 27.25,21.01 v1(27.25,19.75)
  Bottom Layer w0.15: v1(14.25,20.5) 14.5,20.25 21.19,20.25 21.75,20.81 26.19,20.81 v1(27.25,19.75)
Down_BTN: D1.30 R34.1 V13.1 | length 39.2
  Top Layer w0.15: v1(4.657,9.5) 4.907,9.75 D1.30@5.875,9.75 ; v1(35,15.25) 36.435,15.25 R34.1@37.185,16 37.248,16 38.498,14.75 V13.1@38.675,14.75
  Bottom Layer w0.15: v1(4.657,9.5) 4.73,9.573 8.612,9.573 8.991,9.952 19.853,9.952 20.346,10.445 20.346,11.574 20.889,12.117 22.352,12.117 24.233,13.998 32.998,13.998 34.25,15.25 v1(35,15.25)